# KiCad board PRTGN_v1.kicad_pcb
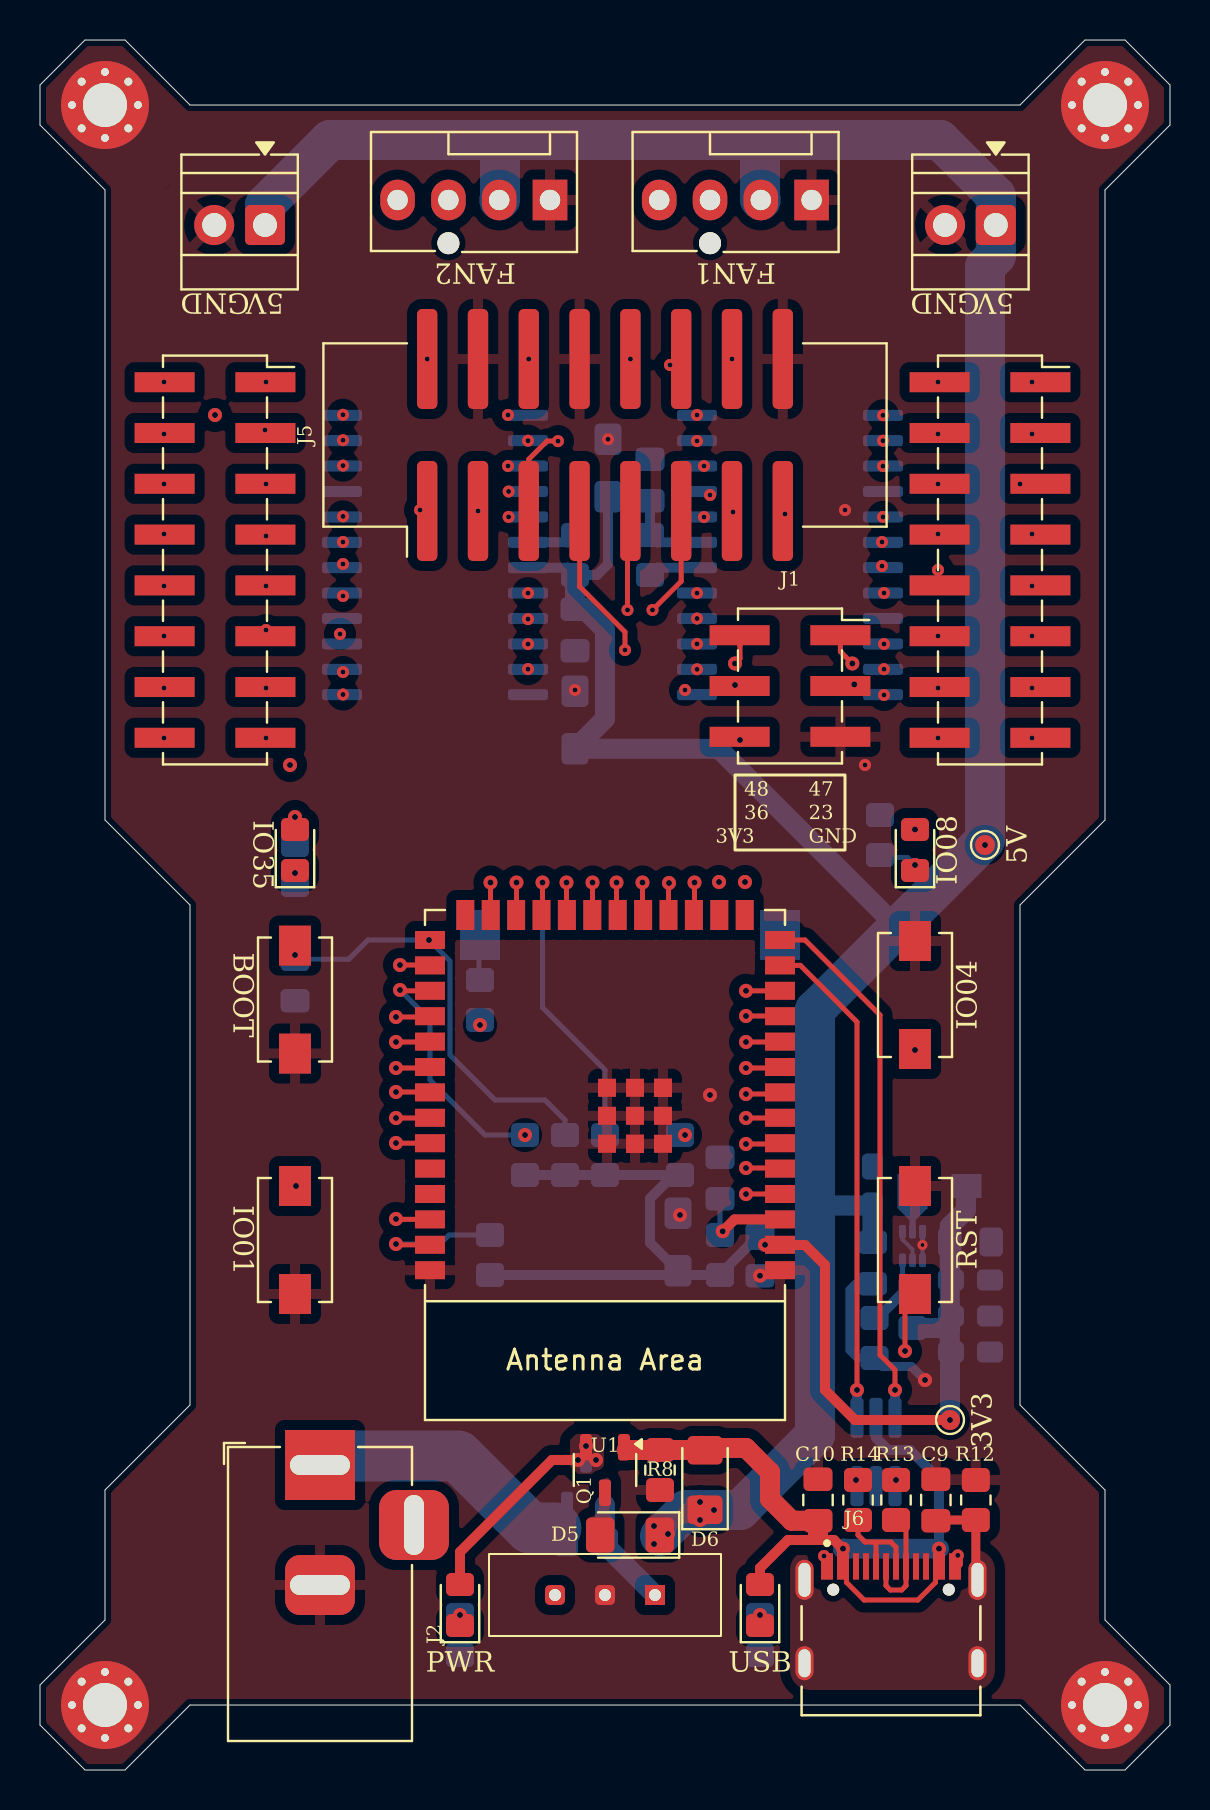
[diagram p0: board, top side]
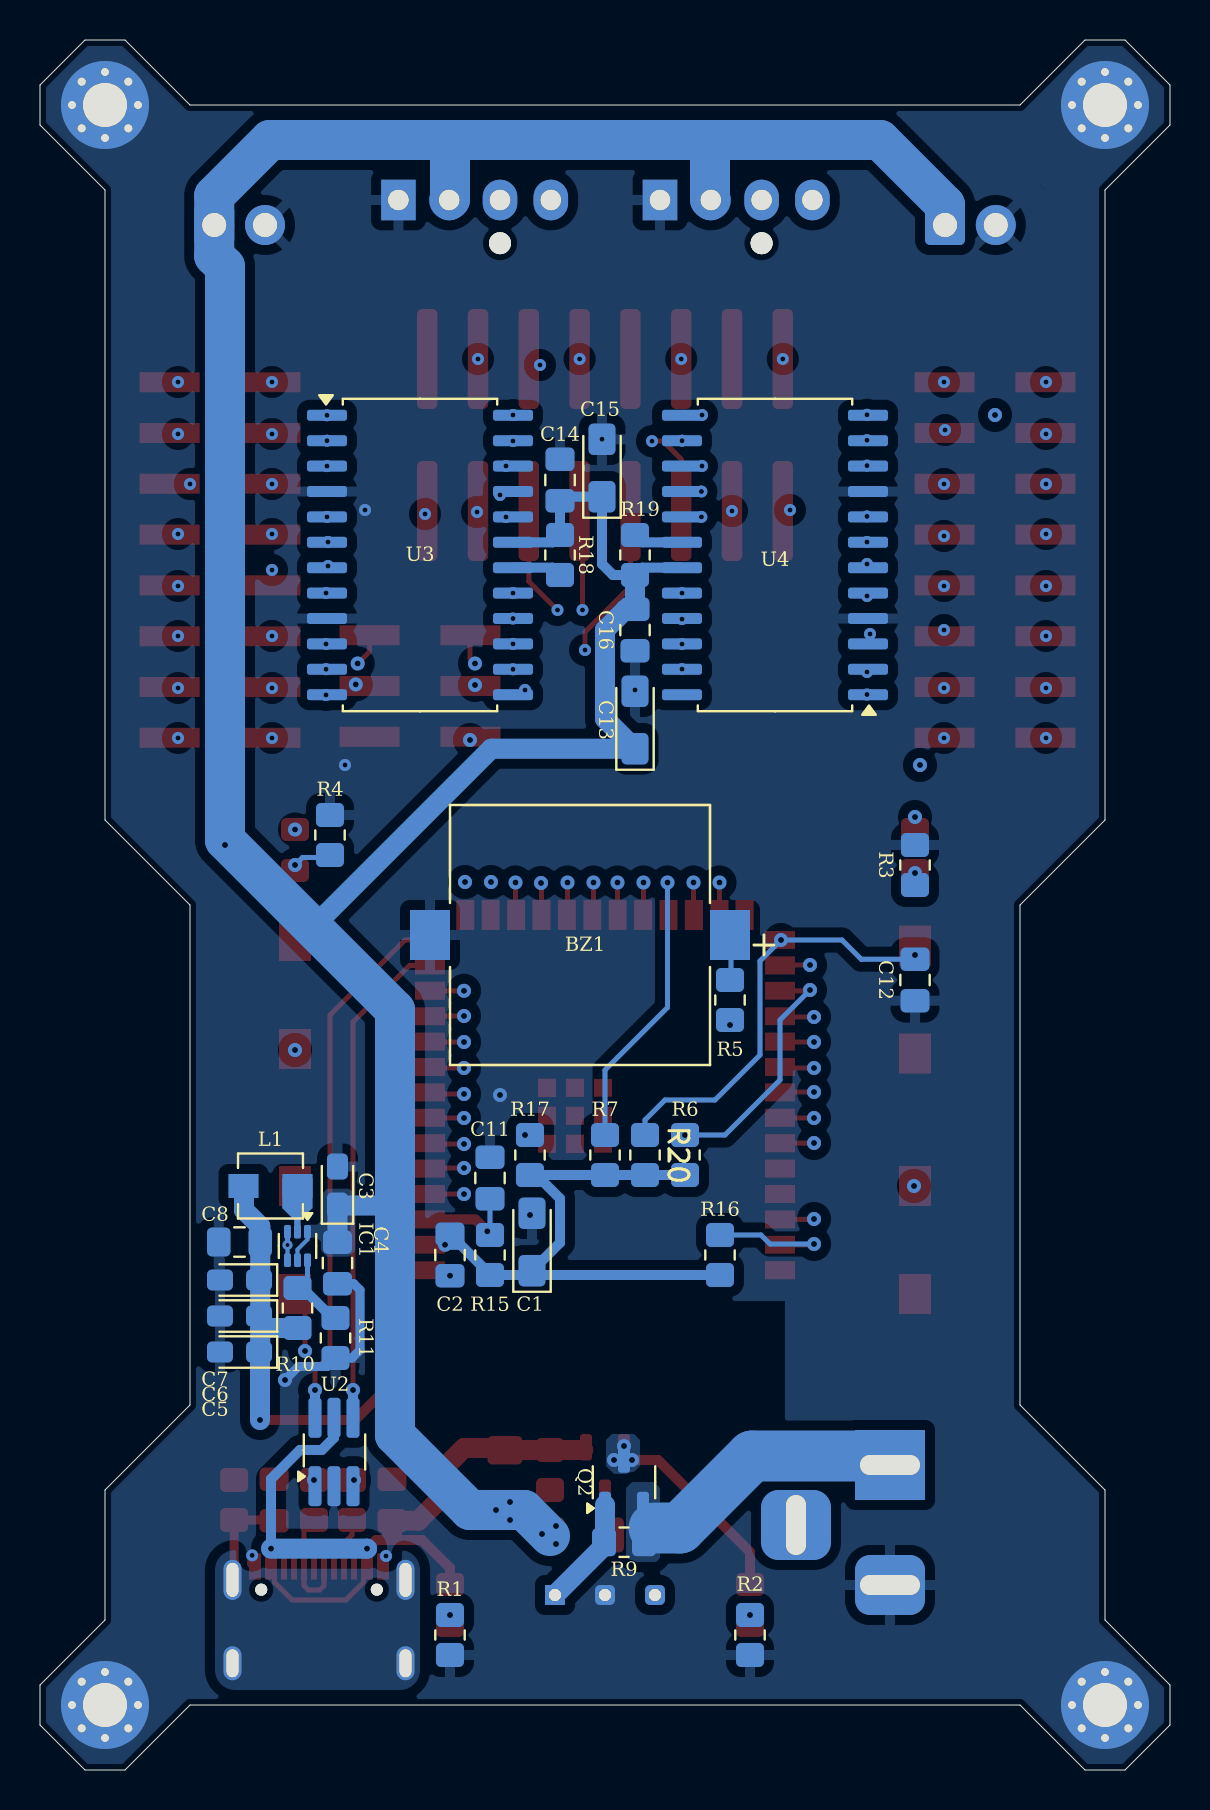
[diagram p1: board, bottom side, seen from below]

Outline 56.5 x 86.5 mm; copper layers: Front.Cu, In1.Cu (plane), In2.Cu (plane), Back.Cu. Coordinates in mm from the lower left corner of the outline.
Outline path: 0,84.25 0,82.25 3.25,79 3.25,47.5 7.5,43.25 7.5,18.25 3.25,14 3.25,7.5 0,4.25 0,2.25 2.25,0 4.25,0 7.5,3.25 49,3.25 52.25,0 54.25,0 56.5,2.25 56.5,4.25 53.25,7.5 53.25,14 49,18.25 49,43.25 53.25,47.5 53.25,79 56.5,82.25 56.5,84.25 54.25,86.5 52.25,86.5 49,83.25 7.5,83.25 4.25,86.5 2.25,86.5 0,84.25
Stack: Front.Cu 0.035mm / dielectric 0.1mm FR4 er 4.5 / In1.Cu 0.035mm / dielectric 1.24mm FR4 er 4.5 / In2.Cu 0.035mm / dielectric 0.1mm FR4 er 4.5 / Back.Cu 0.035mm

## Placement (name value [footprint] x y rotation side)
BZ1  Buzzer  [BUZZER_CUI_CPT]  29.5 41.75 270 bottom
C1  10uF  [CP_EIA-3216-18_Kemet-A_Pad1.58x1.35mm_HandSolder]  31.9 26.4 90 bottom
C2  100nF  [C_0805_2012Metric_Pad1.18x1.45mm_HandSolder]  36 25.75 270 bottom
C3  22uF  [CP_EIA-2012-12_Kemet-R_Pad1.30x1.05mm_HandSolder]  41.62 29.2 90 bottom
C4  100nF  [C_0805_2012Metric_Pad1.18x1.45mm_HandSolder]  41.62 25.35 270 bottom
C5  22uF  [CP_EIA-2012-12_Kemet-R_Pad1.30x1.05mm_HandSolder]  46.53 20.9 0 bottom
C6  22uF  [CP_EIA-2012-12_Kemet-R_Pad1.30x1.05mm_HandSolder]  46.53 22.7 0 bottom
C7  22uF  [CP_EIA-2012-12_Kemet-R_Pad1.30x1.05mm_HandSolder]  46.53 24.5 0 bottom
C8  100nF  [C_0805_2012Metric_Pad1.18x1.45mm_HandSolder]  46.53 26.4 0 bottom
C9  100nF  [C_0805_2012Metric_Pad1.18x1.45mm_HandSolder]  44.79 13.5 270 top
C10  100nF  [C_0805_2012Metric_Pad1.18x1.45mm_HandSolder]  38.9 13.5 90 top
C11  100nF  [C_0805_2012Metric_Pad1.18x1.45mm_HandSolder]  34 29.6 90 bottom
C12  100nF  [C_0805_2012Metric_Pad1.18x1.45mm_HandSolder]  12.75 39.5 270 bottom
C13  10uF  [CP_EIA-3216-18_Kemet-A_Pad1.58x1.35mm_HandSolder]  26.75 52.5 90 bottom
C14  100nF  [C_0805_2012Metric_Pad1.18x1.45mm_HandSolder]  30.5 64.5 90 bottom
C15  10uF  [CP_EIA-3216-18_Kemet-A_Pad1.58x1.35mm_HandSolder]  28.4 65.1 90 bottom
C16  100nF  [C_0805_2012Metric_Pad1.18x1.45mm_HandSolder]  26.75 57 270 bottom
D1  LED  [LED_0805_2012Metric_Pad1.15x1.40mm_HandSolder]  36 8.25 90 top
D2  LED  [LED_0805_2012Metric_Pad1.15x1.40mm_HandSolder]  21 8.25 90 top
D3  LED  [LED_0805_2012Metric_Pad1.15x1.40mm_HandSolder]  12.75 46 90 top
D4  LED  [LED_0805_2012Metric_Pad1.15x1.40mm_HandSolder]  43.75 46 90 top
D5  D_Schottky  [D_1206_3216Metric_Pad1.42x1.75mm_HandSolder]  29.5 11.75 180 top
D6  D_Schottky  [D_1206_3216Metric_Pad1.42x1.75mm_HandSolder]  33.25 14.5 90 top
H1  Mounting Hole M2  [MountingHole_2.2mm_M2_Pad_Via]  53.25 83.25 90 top
H2  Mounting Hole M2  [MountingHole_2.2mm_M2_Pad_Via]  3.25 83.25 90 top
H3  Mounting Hole M2  [MountingHole_2.2mm_M2_Pad_Via]  53.25 3.25 0 top
H4  Mounting Hole M2  [MountingHole_2.2mm_M2_Pad_Via]  3.25 3.25 0 top
IC1  TPS565242DRLR  [SOT-563]  43.62 26.2 270 bottom
J1  Conn_01x06_Pin  [PinSocket_2x03_P2.54mm_Vertical_SMD]  37.5 54.2 0 top
J2  Barrel_Jack  [BarrelJack_Horizontal]  14 15.25 90 top
J3  Screw_Terminal_01x02  [TerminalBlock_Xinya_XY308-2.54-2P_1x02_P2.54mm_Horizontal]  47.79 77.25 180 top
J4  Screw_Terminal_01x02  [TerminalBlock_Xinya_XY308-2.54-2P_1x02_P2.54mm_Horizontal]  11.25 77.25 180 top
J5  02x08  [IDC-Header_2x08_P2.54mm_Vertical_SMD]  28.25 66.75 90 top
J6  USB_TypeC  [HRO_TYPE-C-31-M-12]  42.55 5.34 0 top
J7  Conn_02x08_Odd_Even  [PinSocket_2x08_P2.54mm_Vertical_SMD]  8.75 60.5 0 top
J8  Conn_02x08_Odd_Even  [PinSocket_2x08_P2.54mm_Vertical_SMD]  47.5 60.5 0 top
L1  1.5uH  [L_Vishay_IHLP-1212]  44.97 29.2 0 bottom
M1  Fan_4pin  [FanPinHeader_1x04_P2.54mm_Vertical]  25.5 78.5 180 top
M2  Fan_4pin  [FanPinHeader_1x04_P2.54mm_Vertical]  38.58 78.5 180 top
Q1  Q_PMOS  [SOT-23-3]  28.25 15 270 top
Q2  Q_PMOS  [SOT-23-3]  27.3 14.39 90 bottom
R1  560R  [R_0805_2012Metric_Pad1.20x1.40mm_HandSolder]  36 6.75 270 bottom
R2  560R  [R_0805_2012Metric_Pad1.20x1.40mm_HandSolder]  21 6.75 270 bottom
R3  220R  [R_0805_2012Metric_Pad1.20x1.40mm_HandSolder]  12.75 45.25 90 bottom
R4  220R  [R_0805_2012Metric_Pad1.20x1.40mm_HandSolder]  42 46.75 90 bottom
R5  0R  [R_0805_2012Metric_Pad1.20x1.40mm_HandSolder]  22 38.5 90 bottom
R6  10k  [R_0805_2012Metric_Pad1.20x1.40mm_HandSolder]  24.25 30.75 270 bottom
R7  10k  [R_0805_2012Metric_Pad1.20x1.40mm_HandSolder]  28.25 30.75 270 bottom
R8  10k  [R_0805_2012Metric_Pad1.20x1.40mm_HandSolder]  31 15 270 top
R9  10k  [R_0805_2012Metric_Pad1.20x1.40mm_HandSolder]  27.3 11.39 0 bottom
R10  45k  [R_0805_2012Metric_Pad1.20x1.40mm_HandSolder]  43.62 23.1 90 bottom
R11  10k  [R_0805_2012Metric_Pad1.20x1.40mm_HandSolder]  41.72 21.6 270 bottom
R12  100k  [R_0805_2012Metric_Pad1.20x1.40mm_HandSolder]  46.79 13.5 90 top
R13  15R  [R_0805_2012Metric_Pad1.20x1.40mm_HandSolder]  42.8 13.5 90 top
R14  15R  [R_0805_2012Metric_Pad1.20x1.40mm_HandSolder]  40.9 13.5 90 top
R15  10k  [R_0805_2012Metric_Pad1.20x1.40mm_HandSolder]  34 25.75 270 bottom
R16  10k  [R_0805_2012Metric_Pad1.20x1.40mm_HandSolder]  22.5 25.75 270 bottom
R17  10k  [R_0805_2012Metric_Pad1.20x1.40mm_HandSolder]  32 30.75 270 bottom
R18  10k  [R_0805_2012Metric_Pad1.20x1.40mm_HandSolder]  30.5 60.75 270 bottom
R19  10k  [R_0805_2012Metric_Pad1.20x1.40mm_HandSolder]  26.75 60.75 90 bottom
R20  10k  [R_0805_2012Metric_Pad1.20x1.40mm_HandSolder]  26.25 30.75 270 bottom
SW1  SW_DPDT_x2  [Custom_SPDT_2.5_Switch]  28.25 8.75 270 top
SW2  SW_Push  [SW_SPST_EVQPE1]  43.75 26.5 270 top
SW3  SW_Push  [SW_SPST_EVQPE1]  12.75 26.5 90 top
SW4  SW_Push  [SW_SPST_EVQPE1]  43.75 38.75 270 top
SW5  SW_Push  [SW_SPST_EVQPE1]  12.75 38.52 90 top
TP1  TestPoint  [SPS_LOGO_IMG]  -351.14 74.93 90 top
TP2  TestPoint  [TestPoint_Pad_D1.0mm]  47.25 46.25 90 top
TP3  TestPoint  [TestPoint_Pad_D1.0mm]  45.5 17.5 90 top
U1  -  [ESP32-S3-WROOM-1]  28.25 33.25 180 top
U2  USBLC6-2SC6  [TSOT-23-6_HandSoldering]  41.8 15.9 90 bottom
U3  MAX7219  [SOP-24_7.5x15.4mm_P1.27mm]  37.5 60.75 180 bottom
U4  MAX7219  [SOP-24_7.5x15.4mm_P1.27mm]  19.75 60.75 0 bottom

## Library data of the parts
BZ1 = -: Datasheet: https://cz.mouser.com/ProductDetail/CUI-Devices/CPT-1625-80-SMT-TR?qs=P1JMDcb91o43eCFIymFs3Q%3D%3D; Description: Buzzer, polarized; ki_fp_filters: *Buzzer*
C1 C13 C15 = -: ki_fp_filters: CP_*
C2 C9-C12 C14 C16 = -: ki_fp_filters: C_*
C3 = -: Datasheet: https://cz.mouser.com/ProductDetail/KYOCERA-AVX/TCTP1A226M8R?qs=By6Nw2ByBD3AJs9Xk0HVmg%3D%3D; Description: Polarized capacitor; ki_fp_filters: CP_*
C4 C8 = -: LCSC: C49678; ki_fp_filters: C_*
C5-C7 = -: Description: Polarized capacitor; ki_fp_filters: CP_*
D1-D4 = -: ki_fp_filters: LED* LED_SMD:* LED_THT:*
D5 D6 = -: Description: Schottky diode; ki_fp_filters: TO-???* *_Diode_* *SingleDiode* D_*
H1-H4 = -: Description: Mounting Hole with connection; ki_fp_filters: MountingHole*Pad*
IC1 = -: Datasheet: https://www.ti.com/lit/gpn/tps565247; Description: Switching Voltage Regulators 3-V to 16-V input voltage, 5-A ECO mode, synchronous buck converter in SOT-563 package; Height: 0.6; Manufacturer_Name: Texas Instruments; Mouser Part Number: 595-TPS565242DRLR; Mouser Price/Stock: https://www.mouser.co.uk/ProductDetail/Texas-Instruments/TPS565242DRLR?qs=tlsG%2FOw5FFgHUuabKshykA%3D%3D; LCSC: XXXX
J1 = -: Description: Generic connector, single row, 01x06, script generated; ki_fp_filters: Connector*:*_1x??_*
J2 = -: Description: DC Barrel Jack with a mounting pin; ki_fp_filters: BarrelJack*
J3 J4 = -: Description: Generic screw terminal, single row, 01x02, script generated (kicad-library-utils/schlib/autogen/connector/); ki_fp_filters: TerminalBlock*:*
J5 J7 J8 = -: Description: Generic connector, double row, 02x08, odd/even pin numbering scheme (row 1 odd numbers, row 2 even numbers), script generated (kicad-library-utils/schlib/autogen/connector/); ki_fp_filters: Connector*:*_2x??_*
J6 = -: Datasheet: TYPE-C-31-M-12; Description: USB Connectors 24 Receptacle 1 8.94*7.3mm RoHS; MF: HRO Electronics Co., Ltd.; MAXIMUM_PACKAGE_HEIGHT: 3.26 mm; Package: Package; Price: None; Check_prices: https://www.snapeda.com/parts/TYPE-C-31-M-12/HRO+Electronics+Co.%252C+Ltd./view-part/?ref=eda; STANDARD: Manufacturer Recommendations; PARTREV: 2020.12.08; SnapEDA_Link: https://www.snapeda.com/parts/TYPE-C-31-M-12/HRO+Electronics+Co.%252C+Ltd./view-part/?ref=snap; MP: TYPE-C-31-M-12; SNAPEDA_PN: TYPE-C-31-M-12; Availability: Not in stock; MANUFACTURER: HRO Electronics Co., Ltd.
L1 = -: Datasheet: https://cz.mouser.com/ProductDetail/Vishay-Dale/IHLP1212BZEV1R5M5A?qs=BJlw7L4Cy7%2FLPKyjRWwgFw%3D%3D; Description: Inductor; ki_fp_filters: Choke_* *Coil* Inductor_* L_*
M1 M2 = -: Datasheet: http://www.formfactors.org/developer%5Cspecs%5Crev1_2_public.pdf; Description: Fan, tacho output, PWM input, 4-pin connector; ki_fp_filters: FanPinHeader*P2.54mm*Vertical* PinHeader*P2.54mm*Vertical* TerminalBlock*
Q1 = -: Description: P-MOSFET transistor, gate/source/drain
Q2 = -: Datasheet: https://cz.mouser.com/ProductDetail/Vishay-Semiconductors/SI2393DS-T1-GE3?qs=BJlw7L4Cy7%2FUF13oxTStOQ%3D%3D; Description: P-MOSFET transistor, gate/source/drain
R1-R4 R6 R7 R12-R17 R20 = -: ki_fp_filters: R_*
R5 R8 R9 R18 R19 = -: Description: Resistor; ki_fp_filters: R_*
R10 = -: LCSC: C17470; ki_fp_filters: R_*
R11 = -: LCSC: C17633; ki_fp_filters: R_*
SW1 = -: Datasheet: https://cz.mouser.com/ProductDetail/Same-Sky/SLW-116641-5A-S-D?qs=IKkN%2F947nfBZSdW8n5Vqgw%3D%3D; ki_fp_filters: SW*DPDT*
SW2 = -: Datasheet: https://cz.mouser.com/ProductDetail/Panasonic/EVQ-PE104K?qs=wX5mvoJE4NGLiYsCBZAptQ%3D%3D
TP1-TP3 = -: Description: test point; ki_fp_filters: Pin* Test*
U1 = -: Datasheet: https://www.espressif.com/sites/default/files/documentation/esp32-s3-wroom-1_wroom-1u_datasheet_en.pdf; Description: RF Module, ESP32-S3 SoC, Wi-Fi 802.11b/g/n, Bluetooth, BLE, 32-bit, 3.3V, onboard antenna, SMD; ki_fp_filters: ESP32?S3?WROOM?1*
U2 = -: Description: 17V Clamp 5A (8/20µs) Ipp Tvs Diode Surface Mount SOT-23-6; MF: STMicroelectronics; PURCHASE-URL: https://pricing.snapeda.com/search/part/USBLC6-2SC6/?ref=eda; PACKAGE: SOT-23-6 STMicroelectronics; PRICE: None; Package: SOT-23-6 STMicroelectronics; Check_prices: https://www.snapeda.com/parts/USBLC6-2SC6/STMicroelectronics/view-part/?ref=eda; Price: None; SnapEDA_Link: https://www.snapeda.com/parts/USBLC6-2SC6/STMicroelectronics/view-part/?ref=snap; Purchase-URL: https://www.snapeda.com/api/url_track_click_mouser/?unipart_id=231887&manufacturer=STMicroelectronics&part_name=USBLC6-2SC6&search_term=None; Availability: In Stock; AVAILABILITY: In Stock; DESCRIPTION: 17V Clamp 5A (8/20µs) Ipp Tvs Diode Surface Mount SOT-23-6
U3 U4 = -: Datasheet: https://datasheets.maximintegrated.com/en/ds/MAX7219-MAX7221.pdf; Description: 8-Digit LED Display Driver; ki_fp_filters: SOIC*7.5x15.4mm*P1.27mm* DIP*7.62mm*

## Footprints (pads in the part's own frame, mm; a bottom-side part is the same pattern mirrored in y, then rotated)
BarrelJack_Horizontal
  rect 3.5x3.5 hole 1x3: 1(0,0)
  rrect 3x3.5 hole 1x3: 2(-6,0)
  rrect 3.5x3.5 hole 3x1: 3(-3,-4.7)
BUZZER_CUI_CPT
  rect 2.5x2 smd: 1(0,7.5) 2(0,-7.5)
C_0805_2012Metric_Pad1.18x1.45mm_HandSolder
  rrect 1.175x1.45 smd: 1(-1.038,0) 2(1.038,0)
CP_EIA-2012-12_Kemet-R_Pad1.30x1.05mm_HandSolder
  rrect 1.3x1.05 smd: 1(-0.975,0) 2(0.975,0)
CP_EIA-3216-18_Kemet-A_Pad1.58x1.35mm_HandSolder
  rrect 1.575x1.35 smd: 1(-1.438,0) 2(1.438,0)
Custom_SPDT_2.5_Switch
  rect 1x1 hole 0.6: 1(0,2.5)
  rrect 1x1 hole 0.6: 2(0,0) 3(0,-2.5)
D_1206_3216Metric_Pad1.42x1.75mm_HandSolder
  rrect 1.425x1.75 smd: 1(-1.488,0) 2(1.488,0)
ESP32-S3-WROOM-1
  rect 1.5x0.9 smd: 1(-8.75,8.26) 2(-8.75,6.99) 3(-8.75,5.72) 4(-8.75,4.45) 5(-8.75,3.18) 6(-8.75,1.91) 7(-8.75,0.64) 8(-8.75,-0.63) 9(-8.75,-1.9) 10(-8.75,-3.17) 11(-8.75,-4.44) 12(-8.75,-5.71) 13(-8.75,-6.98) 14(-8.75,-8.25) 27(8.75,-8.25) 28(8.75,-6.98) 29(8.75,-5.71) 30(8.75,-4.44) 31(8.75,-3.17) 32(8.75,-1.9) 33(8.75,-0.63) 34(8.75,0.64) 35(8.75,1.91) 36(8.75,3.18) 37(8.75,4.45) 38(8.75,5.72) 39(8.75,6.99) 40(8.75,8.26)
  rect 0.9x1.5 smd: 15(-6.985,-9.5) 16(-5.715,-9.5) 17(-4.445,-9.5) 18(-3.175,-9.5) 19(-1.905,-9.5) 20(-0.635,-9.5) 21(0.635,-9.5) 22(1.905,-9.5) 23(3.175,-9.5) 24(4.445,-9.5) 25(5.715,-9.5) 26(6.985,-9.5)
  rect 0.9x0.9 smd: 41(-2.9,1.94) 41(-2.9,0.54) 41(-2.9,-0.86) 41(-2.9,-0.86) 41(-1.5,1.94) 41(-1.5,1.94) 41(-1.5,0.54) 41(-1.5,-0.86) 41(-0.1,1.94) 41(-0.1,0.54) 41(-0.1,-0.86)
FanPinHeader_1x04_P2.54mm_Vertical
  round 1.1 hole 1.1 unplated: (5.08,2.16)
  rect 1.73x2.03 hole 1.02: 1(0,0)
  oval 1.73x2.03 hole 1.02: 2(2.54,0) 3(5.08,0) 4(7.62,0)
HRO_TYPE-C-31-M-12
  round 0.6 hole 0.6 unplated: (-2.89,3.68) (2.89,3.68)
  rect 0.6x1.32 smd: A1_B12(-3.2,4.84) A4_B9(-2.4,4.84) B1_A12(3.2,4.84) B4_A9(2.4,4.84)
  rect 0.3x1.32 smd: A5(-1.25,4.84) A6(-0.25,4.84) A7(0.25,4.84) A8(1.25,4.84) B5(1.75,4.84) B6(0.75,4.84) B7(-0.75,4.84) B8(-1.75,4.84)
  oval 0.9x2 hole 0.6x1.7: S1(-4.325,4.17) S2(4.325,4.17)
  oval 0.9x1.7 hole 0.6x1.4: S3(-4.325,0) S4(4.325,0)
IDC-Header_2x08_P2.54mm_Vertical_SMD
  rrect 5x1.02 smd: 1(-3.8,8.89) 2(3.8,8.89) 3(-3.8,6.35) 4(3.8,6.35) 5(-3.8,3.81) 6(3.8,3.81) 7(-3.8,1.27) 8(3.8,1.27) 9(-3.8,-1.27) 10(3.8,-1.27) 11(-3.8,-3.81) 12(3.8,-3.81) 13(-3.8,-6.35) 14(3.8,-6.35) 15(-3.8,-8.89) 16(3.8,-8.89)
L_Vishay_IHLP-1212
  rect 1.5x1.2 smd: 1(-1.35,0) 2(1.35,0)
LED_0805_2012Metric_Pad1.15x1.40mm_HandSolder
  rrect 1.15x1.4 smd: 1(-1.025,0) 2(1.025,0)
MountingHole_2.2mm_M2_Pad_Via
  round 0.7 hole 0.4: 1(-1.65,0) 1(-1.167,1.167) 1(-1.167,-1.167) 1(0,1.65) 1(0,-1.65) 1(1.167,1.167) 1(1.167,-1.167) 1(1.65,0)
  round 4.4 hole 2.2: 1(0,0)
PinSocket_2x03_P2.54mm_Vertical_SMD
  rect 3x1 smd: 1(2.52,2.54) 2(-2.52,2.54) 3(2.52,0) 4(-2.52,0) 5(2.52,-2.54) 6(-2.52,-2.54)
PinSocket_2x08_P2.54mm_Vertical_SMD
  rect 3x1 smd: 1(2.52,8.89) 2(-2.52,8.89) 3(2.52,6.35) 4(-2.52,6.35) 5(2.52,3.81) 6(-2.52,3.81) 7(2.52,1.27) 8(-2.52,1.27) 9(2.52,-1.27) 10(-2.52,-1.27) 11(2.52,-3.81) 12(-2.52,-3.81) 13(2.52,-6.35) 14(-2.52,-6.35) 15(2.52,-8.89) 16(-2.52,-8.89)
R_0805_2012Metric_Pad1.20x1.40mm_HandSolder
  rrect 1.2x1.4 smd: 1(-1,0) 2(1,0)
SOP-24_7.5x15.4mm_P1.27mm
  rrect 2x0.55 smd: 1(-4.65,6.985) 2(-4.65,5.715) 3(-4.65,4.445) 4(-4.65,3.175) 5(-4.65,1.905) 6(-4.65,0.635) 7(-4.65,-0.635) 8(-4.65,-1.905) 9(-4.65,-3.175) 10(-4.65,-4.445) 11(-4.65,-5.715) 12(-4.65,-6.985) 13(4.65,-6.985) 14(4.65,-5.715) 15(4.65,-4.445) 16(4.65,-3.175) 17(4.65,-1.905) 18(4.65,-0.635) 19(4.65,0.635) 20(4.65,1.905) 21(4.65,3.175) 22(4.65,4.445) 23(4.65,5.715) 24(4.65,6.985)
SOT-23-3
  rrect 1.325x0.6 smd: 1(-1.137,0.95) 2(-1.137,-0.95) 3(1.137,0)
SOT-563
  rrect 0.675x0.35 smd: 1(-0.713,0.5) 2(-0.713,0) 3(-0.713,-0.5) 4(0.713,-0.5) 5(0.713,0) 6(0.713,0.5)
SW_SPST_EVQPE1
  rect 2x1.6 smd: 1(-2.7,0) 2(2.7,0)
TerminalBlock_Xinya_XY308-2.54-2P_1x02_P2.54mm_Horizontal
  rrect 2x2 hole 1.2: 1(0,0)
  round 2 hole 1.2: 2(2.54,0)
TestPoint_Pad_D1.0mm
  round 1 smd: 1(0,0)
TSOT-23-6_HandSoldering
  rrect 2x0.65 smd: 1(-1.71,0.95) 2(-1.71,0) 3(-1.71,-0.95) 4(1.71,-0.95) 5(1.71,0) 6(1.71,0.95)

## Nets
+3V3: C1.1 C2.1 C5.1 C6.1 C7.1 C8.1 J1.6 L1.2 R6.2 R7.2 R10.1 R15.2 R16.2 R17.2 R20.2 TP3.1 U1.2
+5V: C3.1 C4.1 C13.1 C14.1 C15.1 C16.1 D5.1 D6.1 IC1.1 IC1.5 J3.1 J4.1 M1.2 M2.2 R18.1 R19.1 TP2.1 U3.19 U4.19
GND: BZ1.2 C1.2 C2.2 C3.2 C4.2 C5.2 C6.2 C7.2 C8.2 C9.1 C10.2 C11.2 C12.2 C13.2 C14.2 C15.2 C16.2 H1.1 H2.1 H3.1 H4.1 IC1.3 IC1.4 J1.5 J2.2 J3.2 J4.2 J5.4 J5.8 J5.16 J6.A1_B12 J6.B1_A12 M1.1 M2.1 R1.2 R2.2 R3.2 R4.2 R8.2 R11.2 R12.2 SW1.2 SW2.1 SW3.1 SW4.1 SW5.1 U1.1 U1.40 U1.41 U2.2 U3.4 U3.9 U4.4 U4.9
VBATT: J2.1 Q2.2 R9.1
VBUS 5V: C10.1 D1.2 D6.2 J6.A4_B9 J6.B4_A9 Q1.1 R8.1 U2.5
/CONNECTORS/SHLD: C9.2 J6.S1 J6.S2 J6.S3 J6.S4 R12.1
/POWER/FET_SW: Q2.1 R9.2 SW1.1
A: J5.9 U1.20
B: J5.10 U1.22
B1: J5.3 U1.31
B2: J5.7 U1.21
BOOT: C12.1 R20.1 SW5.2 U1.27
BTN_IO_01: R16.1 SW3.2 U1.39
BTN_IO_04: R17.1 SW4.2 U1.4
BZ_PWM: R5.1 U1.38
C: J5.11 U1.19
CLK: U1.17 U3.13 U4.13
CLK_75: J5.13 U1.11
COL_1_A: J8.1 U3.2
COL_1_B: J7.2 U4.2
COL_2_A: J8.3 U3.11
COL_2_B: J7.4 U4.11
COL_3_A: J8.5 U3.6
COL_3_B: J7.6 U4.6
COL_4_A: J8.7 U3.7
COL_4_B: J7.8 U4.7
COL_5_A: J8.9 U3.3
COL_5_B: J7.10 U4.3
COL_6_A: J8.11 U3.10
COL_6_B: J7.12 U4.10
COL_7_A: J8.13 U3.5
COL_7_B: J7.14 U4.5
COL_8_A: J8.15 U3.8
COL_8_B: J7.16 U4.8
D: J5.12 U1.18
D+: U1.14 U2.6
D+ IN: J6.A6 J6.B6 R13.1
D-: U1.13 U2.4
D- IN: J6.A7 J6.B7 R14.1
DOUT: U3.24 U4.1
EN: C11.1 R15.1 SW2.2 U1.3
FAN1_PWM: M2.4 U1.7
FAN2_PWM: M1.4 U1.8
FB: IC1.6 R10.2 R11.1
G1: J5.2 U1.34
G2: J5.6 U1.32
IO_FREE_23: J1.3 R7.1 U1.23
IO_FREE_36: J1.4 R6.1 U1.29
IO_FREE_47: J1.1 U1.24
IO_FREE_48: J1.2 U1.25
LAT: J5.14 U1.10
LED_IO_08: D4.2 U1.12
LED_IO_35: D3.2 U1.28
MOSI: U1.6 U3.1
OE: J5.15 U1.9
R1: J5.1 U1.33
R2: J5.5 U1.30
ROW_1_A: J8.2 U3.14
ROW_1_B: J7.1 U4.14
ROW_2_A: J8.4 U3.16
ROW_2_B: J7.3 U4.16
ROW_3_A: J8.6 U3.20
ROW_3_B: J7.5 U4.20
ROW_4_A: J8.8 U3.23
ROW_4_B: J7.7 U4.23
ROW_5_A: J8.10 U3.21
ROW_5_B: J7.9 U4.21
ROW_6_A: J8.12 U3.15
ROW_6_B: J7.11 U4.15
ROW_7_A: J8.14 U3.17
ROW_7_B: J7.13 U4.17
ROW_8_A: J8.16 U3.22
ROW_8_B: J7.15 U4.22
TACHO1: M1.3
TACHO2: M2.3
VOUT: D2.2 Q1.2 Q2.3
~{CS0}: U1.5 U3.12
~{CS1}: U1.35 U4.12
Net-(BZ1-+): BZ1.1 R5.2
Net-(D1-K): D1.1 R1.1
Net-(D2-K): D2.1 R2.1
Net-(D3-K): D3.1 R3.1
Net-(D4-K): D4.1 R4.1
Net-(D5-A): D5.2 Q1.3
Net-(IC1-SW): IC1.2 L1.1
Net-(R13-Pad2): R13.2 U2.1
Net-(R14-Pad2): R14.2 U2.3
Net-(U3-ISET): R18.2 U3.18
Net-(U4-ISET): R19.2 U4.18

Pads without a net: J2 3; J6 A5 A8 B5 B8; SW1 3; U1 15 16 26 36 37; U4 24

## Via types
v1: diameter 0.6, hole 0.25, Front.Cu to Back.Cu, 90 vias
v2: diameter 0.7, hole 0.3, Front.Cu to Back.Cu, 74 vias
v3: diameter 0.5, hole 0.2, Front.Cu to Back.Cu, 1 via

## Routing (per net, layer and track width the routed paths; a pad name or vN(x,y) marks a point on that pad's centre or on a via; arc(x,y) is an arc through that point)
+3V3: length 86.2
  Front.Cu w0.25: J1.6 35,51.64 v2(35,51.5)
  Front.Cu w0.5: v2(36.25,26.26) U1.2 37.01,26.25 38.25,26.25 39.25,25.25 39.25,19 40.75,17.5 v2(45.5,17.5)
  In1.Cu w0.25: v2(35.25,44.4) 34.5,43.65 34.5,28.01 v2(36.25,26.26)
  In2.Cu w0.25: v2(35,51.5) 35.25,51.25 v2(35.25,44.4)
  Back.Cu w0.5: C1.1 30.5,26.36 30.5,28.57 31.68,29.75 R17.2 R20.2 R6.2 ; C1.1 31.69,24.75 R16.2 ; C1.1 32.11,24.75 R15.2 34,24.79 35.47,26.26 v2(36.25,26.26) 36.25,26.54 C2.1
  Back.Cu w1: 45.49,22 45.49,20.96 C5.1 45.5,20.85 v2(45.5,17.5) ; 45.49,22 45.39,22.1 R10.1 ; 45.49,22 C8.1 45.49,27.19 46.3,28 46.3,29.17 L1.2
+5V: length 172.1
  Back.Cu w0.2: IC1.1 43.12,26.52 43.62,26.02 IC1.5
  Back.Cu w0.5: U3.19 30.86,61.38 R18.1 C14.1 30.3,63.66 C15.1 28.4,60.3 27.85,59.75 R19.1 26.38,60.12 U4.19
  Back.Cu w1: 38.75,28.2 38.78,28.22 41.62,28.22 C4.1 ; 42.88,42.12 33.94,51.06 C13.1 28.25,52.56 28.25,57 27.21,58.04 C16.1 R19.1
  Back.Cu w2: 31,11.7 32.3,13 35,13 38.75,16.75 38.75,38 47.25,46.5 47.25,75.17 47.79,75.71 J3.1 47.79,78.71 45,81.5 36,81.5 ; 36,81.5 23,81.5 ; 36,81.5 36,78.54 M2.2 ; 23,81.5 23,78.54 M1.2 ; 23,81.5 14.5,81.5 11.25,78.25 J4.1
  vias: v2(30.7,12.2) v2(30.7,11.3) v2(31.4,11.8) v2(33,13.4) v2(33,12.5) v2(33.7,13) v2(47.25,46.25)
GND: length 11.6
  Front.Cu w0.5: v1(45.89,10.73) 45.89,10.32 J6.B1_A12 45.8,10.13 45.8,10.1
  Back.Cu w0.2: IC1.4 IC1.3
  Back.Cu w0.25: v3(44.13,26.25) 44.12,26.25 IC1.3 ; C1.2 31.91,27.84 v2(32,27.75)
  Back.Cu w0.45: v2(44.25,19.5) 43.58,20.17 42.15,20.17 R11.2 40.9,20.6 40.5,21 40.5,24 40.81,24.31 C4.2
  vias: v1(26.75,54) v1(28.4,66.54) v1(39.2,10.7) v1(40.25,63) v1(41.25,50.25) v2(33.5,33.75) v2(36,24.71)
VBATT: length 13.5
  Back.Cu w2.54: 25.8,12.1 24.5,12.1 20.9,15.7 14.45,15.7 J2.1
VBUS 5V: length 41.5
  Front.Cu w0.25: J6.A4_B9 40.32,10 40.32,9.38 41.2,8.5 43.9,8.5 44.78,9.38 44.78,9.98 44.95,10.15 J6.B4_A9
  Front.Cu w0.45: J6.B4_A9 v2(44.95,11.07)
  Front.Cu w0.5: v2(40.15,11.07) J6.A4_B9 40.15,10.35 40.1,10.4 40.1,11.1 39.7,11.5 37.4,11.5 36,10.1 D1.2 36,9.5 ; C10.1 38.9,12.4 ; 38.75,12.46 38.75,11.75
  Front.Cu w1: 32.76,16 R8.1 29.34,16 ; 38.9,11.8 C10.1 37.59,12.46 36.5,13.55 36.5,14.9 35.3,16.1 33.39,16.1
  Back.Cu w0.5: v2(44.95,11.07) 44.95,14.55 43.5,16 42.41,16 41.8,16.61 U2.5
  Back.Cu w1: v2(44.95,11.07) v2(40.15,11.07)
/CONNECTORS/SHLD: length 5
  Front.Cu w0.45: C9.2 44.83,12.5 R12.1 46.79,9.59 J6.S2
/POWER/FET_SW: length 5.5
  Back.Cu w1: Q2.1 28.25,11.44 R9.2 28.3,11.2 SW1.1
A: length 21.1
  Front.Cu w0.25: v2(28.83,44.38) 28.83,42.67 ; J5.9 29.38,62.8 v1(29.38,58)
  In1.Cu w0.25: v2(28.83,44.38) 28.83,46.08 30,47.25 30,57.38 v1(29.38,58)
B: length 29.2
  Front.Cu w0.25: 29.5,70.53 v1(29.52,70.55) ; v2(26.33,44.38) 26.33,42.67
  In1.Cu w0.25: v1(29.52,70.55) 29.52,60.52 28.5,59.5 28.5,48.12 26.33,45.95 v2(26.33,44.38)
B1: length 31
  Front.Cu w0.25: v2(17.8,36.4) 19.5,36.4
  In1.Cu w0.25: v2(17.8,36.4) 16.5,37.7 16.5,51 20.5,55 20.5,61.55 v1(21.9,62.95)
B2: length 21.9
  Front.Cu w0.25: v1(29.25,56) 29.25,56.9 26.98,59.17 J5.7 ; v2(27.62,44.38) 27.62,42.67
  In1.Cu w0.25: v1(29.25,56) 29.25,47.75 27.62,46.12 v2(27.62,44.38)
BOOT: length 22.2
  Front.Cu w0.25: 19.55,41.45 U1.27 v2(19.45,41.5) ; 13.03,41.5 SW5.2 v2(12.75,40.75)
  Back.Cu w0.25: R20.1 26.25,32.5 25.25,33.5 22.75,33.5 20.5,35.75 20.5,40.45 v2(19.45,41.5) 16.4,41.5 15.44,40.54 12.96,40.54 v2(12.75,40.75)
BTN_IO_01: length 12.9
  Front.Cu w0.25: v2(17.8,26.3) 17.84,26.26 U1.39 ; SW3.2 v2(12.8,29.2)
  In2.Cu w0.25: v2(12.8,29.2) 15.7,26.3 v2(17.8,26.3)
  Back.Cu w0.25: R16.1 20.45,26.75 20,26.3 v2(17.8,26.3)
BTN_IO_04: length 19.4
  Front.Cu w0.25: U1.4 35.3,28.8 v2(35.3,28.8)
  In2.Cu w0.25: v2(32.25,31.75) 32.25,31.25 34.7,28.8 35.27,28.8 35.28,28.8 v2(35.3,28.8) 35.3,28.8 39,28.8 43.75,33.55 v2(43.75,36)
  Back.Cu w0.25: R17.1 v2(32.25,31.75)
BZ_PWM: length 13.2
  Front.Cu w0.25: 17.8,27.5 17.84,27.5 17.87,27.53 U1.38
  In2.Cu w0.25: v2(22,37.25) 22,31.75 v2(17.8,27.55)
C: length 21.2
  Front.Cu w0.25: v1(30.62,58) 32.06,59.44 J5.11 ; v2(30.12,44.38) 30.12,42.67
  In1.Cu w0.25: v1(30.62,58) 30.75,57.88 30.75,46.75 30.12,46.12 v2(30.12,44.38)
CLK: length 39.9
  Front.Cu w0.25: v2(32.72,44.38) 32.72,42.67
  In1.Cu w0.25: v1(23.4,67.75) 26.83,71.18 31.57,71.18 32.22,70.53 32.22,60.47 33.5,59.2 33.5,54.76 32.74,54 v1(32.25,54) 32.25,46.75 32.72,46.28 v2(32.72,44.38)
CLK_75: length 28.4
  Front.Cu w0.25: J5.13 v1(34.65,62.9) ; v2(35.3,37.7) 37,37.7
  In1.Cu w0.25: v1(34.65,62.9) 35.75,61.8 35.75,46.28 36.75,45.28 36.75,39.15 v2(35.3,37.7)
COL_1_A: length 8.7
  In1.Cu w0.25: v1(49.6,69.4) 46.08,69.4 43.15,66.47 v1(42.15,66.47)
COL_1_B: length 24.4
  Front.Cu w0.25: J7.2 6.21,69.39 v1(6.2,69.4)
  In1.Cu w0.25: v1(15.15,54.9) 16.75,56.5 16.75,67.05 15.2,68.6 7,68.6 v1(6.2,69.4)
COL_2_A: length 29.5
  In1.Cu w0.25: v1(42.2,55.04) 42.96,55.04 47.75,50.25 51.25,50.25 52.75,51.75 52.75,63.65 v1(49.6,66.8)
COL_2_B: length 9.4
  Front.Cu w0.25: J7.4 6.23,66.83 v1(6.2,66.8)
  In1.Cu w0.25: v1(15.15,66.49) 14.83,66.17 6.83,66.17 v1(6.2,66.8)
COL_3_A: length 8.1
  In1.Cu w0.25: v1(42.1,61.4) 43.14,61.4 46.04,64.3 v1(49,64.3)
COL_3_B: length 13.4
  Front.Cu w0.25: v1(6.2,64.3) 6.21,64.31 J7.6
  In1.Cu w0.25: v1(6.2,64.3) 5.5,63.6 5.5,61.3 6.5,60.3 v1(15.15,60.3)
COL_4_A: length 8.2
  In1.Cu w0.25: v1(49.6,61.8) 48.43,60.63 42.53,60.63 v1(42.1,60.2)
COL_4_B: length 9.4
  Front.Cu w0.25: J7.8 v1(6.2,61.8)
  In1.Cu w0.25: v1(6.2,61.8) 6.93,61.07 14.82,61.07 v1(15.15,61.4)
COL_5_A: length 13.6
  In1.Cu w0.25: v1(49.6,59.2) 50.23,59.83 50.23,64.02 49.06,65.19 v1(42.15,65.19)
COL_5_B: length 10.3
  Front.Cu w0.25: J7.10 v1(6.2,59.2)
  In1.Cu w0.25: v1(15,56.8) 14.97,56.8 14.42,56.25 9.15,56.25 v1(6.2,59.2)
COL_6_A: length 18
  In1.Cu w0.25: v1(49.6,56.7) 52,54.3 52,52.25 50.72,50.97 48.9,50.97 45.53,54.35 45.53,54.36 45.16,54.73 45.15,54.73 43.58,56.3 v1(42.2,56.3)
COL_6_B: length 18.8
  Front.Cu w0.25: v1(6.2,56.7) 6.21,56.69 J7.12
  In1.Cu w0.25: v1(15.15,65.22) 6.12,65.22 4.75,63.85 4.75,58.15 v1(6.2,56.7)
COL_7_A: length 13.8
  In1.Cu w0.25: v1(49.6,54.1) 44.13,59.57 41.68,59.57 41.25,60 41.25,61.76 v1(42.15,62.66)
COL_7_B: length 17
  Front.Cu w0.25: J7.14 6.23,54.13 v1(6.2,54.1)
  In1.Cu w0.25: v1(15.15,58.7) 14.65,58.2 8.7,58.2 7.07,59.83 5.94,59.83 5.57,59.46 5.57,58.21 7,56.79 7,54.9 v1(6.2,54.1)
COL_8_A: length 11.3
  In1.Cu w0.25: v1(49.6,51.6) 49.6,53.15 43.9,58.85 v1(42.2,58.85)
COL_8_B: length 18.7
  Front.Cu w0.25: J7.16 6.21,51.61 v1(6.2,51.6)
  In1.Cu w0.25: v1(15.15,62.68) 16,61.83 16,56.75 14.78,55.53 9.28,55.53 6.2,52.45 v1(6.2,51.6)
D: length 28.4
  Front.Cu w0.25: 31.42,44.38 31.42,42.67 ; v1(31.5,70.25) 31.54,70.21 31.56,70.21 31.9,70.55 31.96,70.55 32.01,70.6
  In1.Cu w0.25: 31.42,44.38 31.5,44.45 31.5,70.19 31.56,70.19 v1(31.5,70.25)
  vias: v2(31.45,44.35)
D+: length 27
  Front.Cu w0.25: U1.14 38.25,41.5 42,37.75 42,20.75 42.75,20 v2(42.75,19)
  Back.Cu w0.5: U2.6 v2(42.75,19)
D+ IN: length 5.6
  Front.Cu w0.25: R13.1 43.3,12 J6.B6 43.3,9.22 43.08,9 42.52,9 42.3,9.22 J6.A6
D-: length 24.8
  Front.Cu w0.25: v2(40.85,19) 40.85,37.4 38.02,40.23 U1.13
  Back.Cu w0.5: v2(40.85,19) U2.4
D- IN: length 5.1
  Front.Cu w0.25: J6.B7 41.8,11.4 ; R14.1 40.9,11.75 41.25,11.4 42.54,11.4 42.8,11.14 J6.A7 42.78,10.2
DOUT: length 36.5
  In1.Cu w0.25: v1(32.85,67.75) 32.85,70.65 31.75,71.75 19.5,71.75 17.5,69.75 17.5,56.12 v1(15.15,53.77)
EN: length 20.9
  Front.Cu w0.25: v2(43.25,20.95) 43.25,23.3 SW2.2
  Front.Cu w0.5: U1.3 34.73,27.53 v2(34.14,26.94)
  In2.Cu w0.25: v2(34.14,26.94) 39.06,26.94 43.25,22.75 v2(43.25,20.95)
  Back.Cu w0.25: C11.1 R15.1
  Back.Cu w0.5: v2(34.14,26.94) 34,26.8 R15.1
FAN1_PWM: length 53.1
  Front.Cu w0.25: v2(35.3,32.6) 37,32.6
  In1.Cu w0.25: M2.4 30.96,76.79 38.75,69 38.75,48.25 39.75,47.25 39.75,37.05 v2(35.3,32.6)
FAN2_PWM: length 63.4
  Front.Cu w0.25: v2(35.3,33.8) 37,33.8
  In1.Cu w0.25: M1.4 17.88,77.12 21.5,73.5 33,73.5 38,68.5 38,47.75 39,46.75 39,37.5 v2(35.3,33.8)
FB: length 4.1
  Back.Cu w0.25: R10.2 43.12,24.6 IC1.6
  Back.Cu w0.5: R10.2 43.38,24.1 41.88,22.6 R11.1
G1: length 43.4
  Front.Cu w0.25: v1(19.36,70.55) 19.45,70.55 19.5,70.5 ; v2(17.8,32.6) 19.5,32.6
  In1.Cu w0.25: v1(19.36,70.55) 18.25,69.44 18.25,55.75 14.25,51.75 14.25,36.15 v2(17.8,32.6)
G2: length 41.7
  Front.Cu w0.25: v1(24.44,70.55) 24.45,70.55 24.5,70.5 ; v2(17.8,35.1) 19.5,35.1
  In1.Cu w0.25: v1(24.44,70.55) 19.75,65.86 19.75,55.25 15.75,51.25 15.75,37.15 v2(17.8,35.1)
IO_FREE_23: length 36.8
  Front.Cu w0.25: v2(25.12,44.38) 25.12,42.67 ; v2(40.71,54.28) 40.63,54.2 J1.3
  In2.Cu w0.25: v2(40.71,54.28) 39.18,52.75 35,52.75 33.75,51.5 31,51.5 25.12,45.62 v2(25.12,44.38)
  Back.Cu w0.25: v2(25.12,44.38) 25.12,38.12 28.25,35 R7.1
IO_FREE_36: length 42.9
  Front.Cu w0.25: v2(34.75,54.25) 34.8,54.2 J1.4 ; v2(18,39) 18.04,38.96 U1.29 19.5,38.9
  In1.Cu w0.25: v2(34.75,54.25) 33,52.5 33,47.25 33.95,46.3 33.95,44.45
  In2.Cu w0.25: v2(33.95,44.4) 33.95,37.2 28.5,31.75 v2(24.25,31.75)
  Back.Cu w0.25: v2(24.25,31.75) 22.25,31.75 19.5,34.5 19.5,37.5 v2(18,39)
IO_FREE_47: length 25.4
  Front.Cu w0.25: v2(23.83,44.38) 23.83,42.67 ; v2(40.62,55.33) 40.02,55.92 J1.1
  In2.Cu w0.25: v2(40.62,55.33) 38.79,53.5 34.25,53.5 33,52.25 30.5,52.25 23.83,45.58 v2(23.83,44.38)
IO_FREE_48: length 20.7
  Front.Cu w0.25: v2(34.75,55.33) 35,55.58 35,56.23 34.98,56.26 J1.2 ; v2(22.52,44.38) 22.52,42.67
  In2.Cu w0.25: v2(34.75,55.33) 32.42,53 30,53 22.52,45.53 v2(22.52,44.38)
LAT: length 38.1
  Front.Cu w0.25: 34.75,70.51 34.71,70.55 v1(34.6,70.55) ; v2(35.3,36.4) 37,36.4
  In1.Cu w0.25: v2(35.3,36.4) 37.5,38.6 37.5,45.77 36.5,46.77 36.5,68.65 v1(34.6,70.55)
LED_IO_08: length 14.7
  Front.Cu w0.25: v2(35.3,38.96) U1.12
  In2.Cu w0.25: v2(35.3,38.96) 35.3,41.05 41.28,47.03 v2(43.75,47.03)
LED_IO_35: length 11.7
  Front.Cu w0.25: v2(18,40.25) 19.48,40.25 U1.28 ; D3.2 v2(12.75,47.65)
  In2.Cu w0.25: v2(12.75,47.65) 12.75,47 18,41.75 v2(18,40.25)
MOSI: length 41.9
  Front.Cu w0.25: 35.25,31.3 37,31.3
  In1.Cu w0.25: v1(42.15,67.73) 39.5,65.09 39.5,48.75 40.5,47.75 40.5,36.5 v2(35.3,31.3) 35.25,31.3
OE: length 31.2
  Front.Cu w0.25: v1(37.25,62.8) 37.14,62.91 J5.15 ; v2(35.3,35.1) 37,35.1
  In1.Cu w0.25: v2(35.3,35.1) 38.25,38.05 38.25,46.28 37.25,47.28 v1(37.25,62.8)
R1: length 33.6
  Front.Cu w0.25: v2(17.8,33.9) 19.5,33.9
  In1.Cu w0.25: v1(19,63) 19,55.5 15,51.5 15,36.7 v2(17.8,33.9)
R2: length 38.8
  Front.Cu w0.25: 19.5,37.6 19.45,37.65 v2(17.8,37.65) ; J5.5 24.44,65.54 25.35,66.45 25.89,66.45 v1(25.9,66.44)
  In1.Cu w0.25: v2(17.8,37.65) 17.25,38.2 17.25,50.5 21.25,54.5 21.25,59.32 25.9,63.97 v1(25.9,66.44)
ROW_1_A: length 30.3
  In2.Cu w0.25: v1(44.9,69.4) 31.65,69.4 30,67.75 30,56.5 31.47,55.03 v1(32.85,55.03)
ROW_1_B: length 15.2
  Front.Cu w0.25: J7.1 11.29,69.39 v1(11.3,69.4)
  In2.Cu w0.25: v1(24.4,66.47) 24.4,67.85 22.85,69.4 v1(11.3,69.4)
ROW_2_A: length 26.4
  In2.Cu w0.25: v1(32.85,57.58) 32.22,58.2 32.22,59.1 32.6,59.48 43.27,59.48 44.25,58.5 46.75,58.5 47.25,59 47.25,64.45 v1(44.9,66.8)
ROW_2_B: length 16.8
  Front.Cu w0.25: J7.3 11.25,66.87 v1(11.25,67)
  In2.Cu w0.25: v1(11.25,67) 11.5,67 12.89,68.39 21.59,68.39 24.03,65.95 24.03,64.52 v1(23.43,63.92)
ROW_3_A: length 13.9
  In2.Cu w0.25: v1(33.2,62.65) 32.75,63.1 32.75,64 33.15,64.4 44.8,64.4 v1(44.9,64.3)
  Back.Cu w0.25: U3.20 32.85,62.65
ROW_3_B: length 15.4
  Front.Cu w0.25: v1(11.3,64.3) 11.29,64.31 J7.5
  In2.Cu w0.25: v1(11.3,64.3) 18.95,64.3 v1(24.4,58.84)
ROW_4_A: length 23.1
  Front.Cu w0.25: 45,61.75 J8.8
  In2.Cu w0.25: v1(44.9,61.8) 44.27,61.17 44.27,59.48 44.5,59.25 45.5,59.25 45.98,59.73 45.98,64.11 44.25,65.84 36.5,65.84 35.89,66.45 v1(32.85,66.45)
  Back.Cu w0.25: U3.23 v1(32.85,66.45)
ROW_4_B: length 18.7
  Front.Cu w0.25: J7.7 11.27,61.73 v1(11.3,61.7)
  In2.Cu w0.25: v1(11.3,61.7) 11.63,62.03 15.47,62.03 18.75,58.75 23.5,58.75 24.03,58.22 24.61,58.22 25.03,57.8 25.03,55.67 v1(24.4,55.05)
ROW_5_A: length 15.4
  Front.Cu w0.25: J8.10 44.77,59.23 44.75,59.25
  In2.Cu w0.25: v1(33.5,63.75) 44,63.75 45.53,62.22 45.53,60.63 v1(44.9,60)
  Back.Cu w0.25: U3.21 32.85,63.95
ROW_5_B: length 13.8
  Front.Cu w0.25: J7.9 v1(11.3,59.2)
  In2.Cu w0.25: v1(24.4,57.55) 12.95,57.55 v1(11.3,59.2)
ROW_6_A: length 12.4
  In2.Cu w0.25: v1(32.85,56.3) 33.47,56.93 44.67,56.93 v1(44.9,56.7)
ROW_6_B: length 32.4
  Front.Cu w0.25: J7.11 11.29,56.69 11.3,56.7 v1(11.3,57)
  In2.Cu w0.25: v1(23.4,65.2) 21.48,67.12 12.35,67.12 10,64.76 10,54.25 11,53.25 11.54,53.25 12.25,53.96 12.25,55.75 11.3,56.7 v1(11.3,57)
ROW_7_A: length 16.6
  In2.Cu w0.25: v1(32.85,58.84) 33.69,58 44.49,58 45.53,56.96 45.53,54.73 v1(44.9,54.1)
ROW_7_B: length 25.4
  Front.Cu w0.25: v1(11.3,54.1) 11.27,54.13 J7.13
  In2.Cu w0.25: v1(23.43,62.66) 20.24,65.85 11.96,65.85 10.67,64.56 10.67,54.73 v1(11.3,54.1)
ROW_8_A: length 26.6
  In2.Cu w0.25: v1(44.9,51.6) 43.75,52.75 43.75,54.69 42.77,55.67 41.64,55.67 41.3,56 33.43,56 33.11,55.68 32.61,55.68 32.59,55.66 ; v1(33.2,65.2) 32.2,65.2 31.75,64.75 31.75,56.5 32.59,55.66 ; 32.5,55.75 32.59,55.66
ROW_8_B: length 15.1
  Front.Cu w0.25: v1(11.3,51.6) 11.29,51.61 J7.15
  In2.Cu w0.25: v1(11.3,51.6) 14.35,51.6 19.05,56.3 v1(24.4,56.3)
VOUT: length 9.4
  Front.Cu w0.5: v2(26.9,15.5) 25.6,15.5 21,10.9 D2.2
  vias: v2(27.3,16.2) v2(27.8,15.5)
~{CS0}: length 28.3
  Front.Cu w0.25: 37,30.1 35.25,30.1 35.25,30.1
  In1.Cu w0.25: 35.25,30.1 v2(35.3,30.1) 41.25,36.05 41.25,47.75 42.2,48.7 v1(42.2,53.75)
~{CS1}: length 49.1
  Front.Cu w0.25: U1.35 17.81,31.34 v2(17.8,31.35)
  In1.Cu w0.25: v2(8.75,67.75) 8.76,67.76 v1(15.15,67.76) ; v2(12.5,50.25) 13.5,49.25 13.5,35.65 v2(17.8,31.35)
  In2.Cu w0.25: v2(8.75,67.75) 9.25,67.25 9.25,52 11,50.25 v2(12.5,50.25)
Net-(BZ1-+): length 2.2
  Back.Cu w0.25: 21.95,39.75 21.95,42
Net-(D1-K):
  vias: v2(36,7.75)
Net-(D2-K): length 0.5
  Front.Cu w0.5: D2.1 v2(21,7.75)
Net-(D3-K): length 0.3
  Back.Cu w0.5: 12.75,44.5 v2(12.75,44.85)
Net-(D4-K): length 2.2
  Front.Cu w0.25: v2(43.75,45.25) D4.1
  Back.Cu w0.25: 42,45.5 42.12,45.62 43.38,45.62 v2(43.75,45.25)
Net-(R13-Pad2): length 0.3
  Back.Cu w0.25: U2.1 42.75,14.45 v2(42.8,14.5)
Net-(R14-Pad2): length 0.3
  Back.Cu w0.25: U2.3 40.85,14.45 v2(40.8,14.5)
Net-(U3-ISET): length 2.5
  Back.Cu w0.5: U3.18 30.86,60.12 R18.2
Net-(U4-ISET): length 2.5
  Back.Cu w0.5: U4.18 26.38,61.38 R19.2

## Copper pours and planes (outline as drawn; the poured copper is in the pictures)
+5V on Front.Cu: 32.3,13.9 32.5,14.1 34.1,14.1 34.3,13.9 34.3,12.5 32.5,10.7 30.5,10.7 30.2,11 30.2,12.6 30.4,12.8 31.7,12.8 32.3,13.4
+5V on Back.Cu: 43.3,27.26 42.65,27.26 42.45,27.46 42.45,28.76 42.15,29.06 41.05,29.06 40.75,28.76 40.75,25.96 41.05,25.66 42.15,25.66 42.45,25.96 42.45,26.41 42.65,26.61 43.3,26.61
+5V on In2.Cu: 80.3,-11.1 -7.65,-11.1 -7.65,93 -6.25,94.4 79.8,94.4 80.5,93.7 80.5,-10.9
GND on Front.Cu, Back.Cu: -0.25,7 6.5,7 6.5,0 6.25,-0.25 -0.25,-0.25
GND on Front.Cu, Back.Cu: 27,10 29.5,10 29.5,7.5 27,7.5
GND on Front.Cu, Back.Cu: 50,7 56.75,7 56.75,0 56.5,-0.25 50,-0.25
GND on Front.Cu, Back.Cu: 49.5,87 56.25,87 56.25,80 56,79.75 49.5,79.75
GND on Front.Cu, Back.Cu: -0.25,86.25 6.5,86.25 6.5,79.25 6.25,79 -0.25,79
GND on Front.Cu, Back.Cu: 65.25,-8 -3.75,-9.75 -3,88.25 64.5,87.75
VBATT on Back.Cu: 25.5,14.1 25.8,14.4 26.9,14.4 27.2,14.1 27.2,10.7 26.9,10.4 25.7,10.4 25.5,10.6
/CONNECTORS/SHLD on Front.Cu, Back.Cu: 37.5,11 47.75,11 47.75,4 37.5,4
VOUT on Front.Cu, Back.Cu: 26.5,16.5 26.8,16.8 27.9,16.8 28.2,16.5 28.2,15.2 27.8,14.8 26.9,14.8 26.5,15.2
Net-(D5-A) on Front.Cu: 29.1,10.8 28.8,10.5 27.2,10.5 26.9,10.8 26.9,14.5 27.2,14.8 28.8,14.8 29.1,14.5
Net-(IC1-SW) on Back.Cu (solid shape): 43.78,26.9 43.78,27.5 44.38,28.1 42.88,28.1 43.48,27.5 43.48,26.9

## Text on the board
F.Silkscreen: 48	47 / 36	23 / 3V3	GND | PWR | USB | IO08 | IO04 | RST | 3V3 | 5V | GND | FAN2 | FAN1 | BOOT | IO01 | IO35
